# Altium PCB PCB ASCII (pokey v1.0-A01).PcbDoc (part 5 of 5)
Units mil, origin at the board's own origin, x right, y up, seen from the top; angles counter-clockwise.
Board outline 14208.66 x 3708.66 mil, 4 copper layers (Top Layer, Mid-Layer 1, Mid-Layer 2, Bottom Layer), stack 61.2 mil thick; 385 components, 209 nets, 1413 pads, 947 vias.
Unrouted connection lines stored in the file: 121.
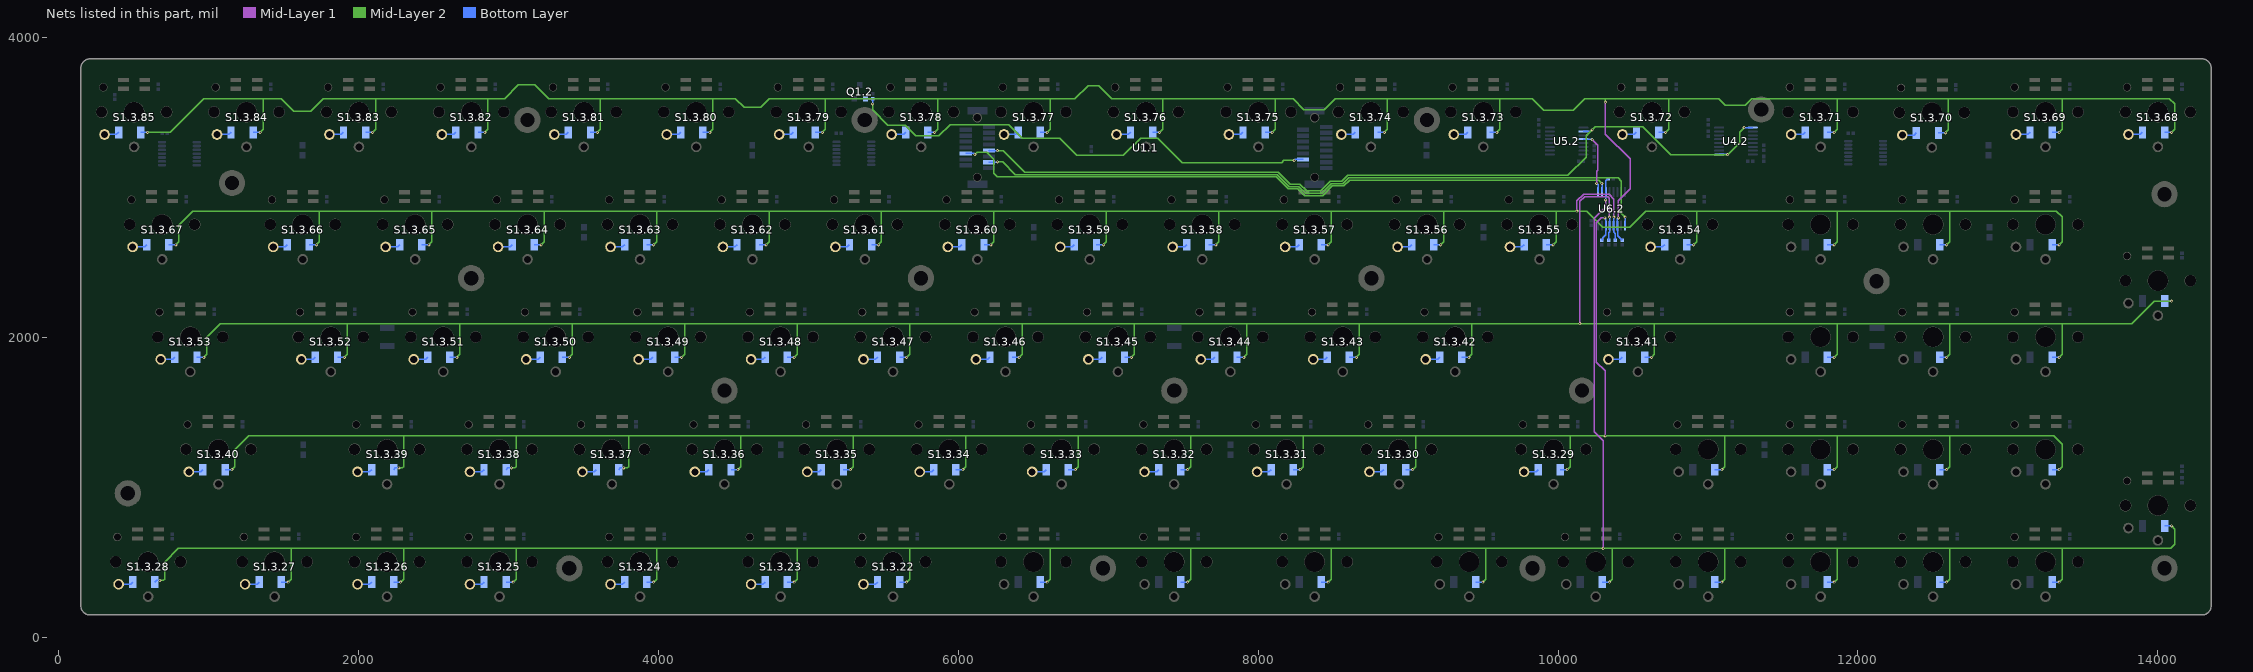
[diagram p7: the nets of this part, all layers, seen from the top]

## Via types
v1: diameter 20, hole 10, Top Layer to Bottom Layer, tented both sides, 946 vias
v2: diameter 20, hole 10, Top Layer to Bottom Layer, 1 vias

## Nets (pads, with @x,y where several pads share a name; then routed paths per layer and width w, separated by ;. In a path a pad name is that pad's centre, name@x,y a point inside that pad or via, vN(x,y) a via of type N, cw(c..) or ccw(c..) an arc to the next point about the centre after c; other vN are vias at no path point) (continued)
NetD2.3.22_A: D2.3.22.A S1.3.22.2 | length 99.5
  Bottom Layer w10: S1.3.22.2@5367.06,353.39 5446.63,353.39 D2.3.22.A@5460.75,367.5
NetD2.3.23_A: D2.3.23.A S1.3.23.2 | length 99.5
  Bottom Layer w10: S1.3.23.2@4617.06,353.39 4696.63,353.39 D2.3.23.A@4710.75,367.5
NetD2.3.24_A: D2.3.24.A S1.3.24.2 | length 99.5
  Bottom Layer w10: S1.3.24.2@3679.56,353.39 3759.13,353.39 D2.3.24.A@3773.25,367.5
NetD2.3.25_A: D2.3.25.A S1.3.25.2 | length 99.5
  Bottom Layer w10: S1.3.25.2@2742.06,353.39 2821.63,353.39 D2.3.25.A@2835.75,367.5
NetD2.3.26_A: D2.3.26.A S1.3.26.2 | length 99.5
  Bottom Layer w10: S1.3.26.2@1992.06,353.39 2071.63,353.39 D2.3.26.A@2085.75,367.5
NetD2.3.27_A: D2.3.27.A S1.3.27.2 | length 99.5
  Bottom Layer w10: S1.3.27.2@1242.06,353.39 1321.63,353.39 D2.3.27.A@1335.75,367.5
NetD2.3.28_A: D2.3.28.A S1.3.28.2 | length 99.5
  Bottom Layer w10: S1.3.28.2@398.31,353.39 477.88,353.39 D2.3.28.A@492,367.5
NetD2.3.29_A: D2.3.29.A S1.3.29.2 | length 99.5
  Bottom Layer w10: S1.3.29.2@9773.31,1103.39 9852.88,1103.39 D2.3.29.A@9867,1117.5
NetD2.3.30_A: D2.3.30.A S1.3.30.2 | length 99.5
  Bottom Layer w10: S1.3.30.2@8742.06,1103.39 8821.63,1103.39 D2.3.30.A@8835.75,1117.5
NetD2.3.31_A: D2.3.31.A S1.3.31.2 | length 99.5
  Bottom Layer w10: S1.3.31.2@7992.06,1103.39 8071.63,1103.39 D2.3.31.A@8085.75,1117.5
NetD2.3.32_A: D2.3.32.A S1.3.32.2 | length 99.5
  Bottom Layer w10: S1.3.32.2@7242.06,1103.39 7321.63,1103.39 D2.3.32.A@7335.75,1117.5
NetD2.3.33_A: D2.3.33.A S1.3.33.2 | length 99.5
  Bottom Layer w10: S1.3.33.2@6492.06,1103.39 6571.63,1103.39 D2.3.33.A@6585.75,1117.5
NetD2.3.34_A: D2.3.34.A S1.3.34.2 | length 99.5
  Bottom Layer w10: S1.3.34.2@5742.06,1103.39 5821.63,1103.39 D2.3.34.A@5835.75,1117.5
NetD2.3.35_A: D2.3.35.A S1.3.35.2 | length 99.5
  Bottom Layer w10: S1.3.35.2@4992.06,1103.39 5071.63,1103.39 D2.3.35.A@5085.75,1117.5
NetD2.3.36_A: D2.3.36.A S1.3.36.2 | length 99.5
  Bottom Layer w10: S1.3.36.2@4242.06,1103.39 4321.63,1103.39 D2.3.36.A@4335.75,1117.5
NetD2.3.37_A: D2.3.37.A S1.3.37.2 | length 99.5
  Bottom Layer w10: S1.3.37.2@3492.06,1103.39 3571.63,1103.39 D2.3.37.A@3585.75,1117.5
NetD2.3.38_A: D2.3.38.A S1.3.38.2 | length 99.5
  Bottom Layer w10: S1.3.38.2@2742.06,1103.39 2821.63,1103.39 D2.3.38.A@2835.75,1117.5
NetD2.3.39_A: D2.3.39.A S1.3.39.2 | length 99.5
  Bottom Layer w10: S1.3.39.2@1992.06,1103.39 2071.63,1103.39 D2.3.39.A@2085.75,1117.5
NetD2.3.40_A: D2.3.40.A S1.3.40.2 | length 99.5
  Bottom Layer w10: S1.3.40.2@867.06,1103.39 946.63,1103.39 D2.3.40.A@960.75,1117.5
NetD2.3.41_A: D2.3.41.A S1.3.41.2 | length 99.5
  Bottom Layer w10: S1.3.41.2@10335.81,1853.39 10415.38,1853.39 D2.3.41.A@10429.5,1867.5
NetD2.3.42_A: D2.3.42.A S1.3.42.2 | length 99.5
  Bottom Layer w10: S1.3.42.2@9117.06,1853.39 9196.63,1853.39 D2.3.42.A@9210.75,1867.5
NetD2.3.43_A: D2.3.43.A S1.3.43.2 | length 99.5
  Bottom Layer w10: S1.3.43.2@8367.06,1853.39 8446.63,1853.39 D2.3.43.A@8460.75,1867.5
NetD2.3.44_A: D2.3.44.A S1.3.44.2 | length 99.5
  Bottom Layer w10: S1.3.44.2@7617.06,1853.39 7696.63,1853.39 D2.3.44.A@7710.75,1867.5
NetD2.3.45_A: D2.3.45.A S1.3.45.2 | length 99.5
  Bottom Layer w10: S1.3.45.2@6867.06,1853.39 6946.63,1853.39 D2.3.45.A@6960.75,1867.5
NetD2.3.46_A: D2.3.46.A S1.3.46.2 | length 99.5
  Bottom Layer w10: S1.3.46.2@6117.06,1853.39 6196.63,1853.39 D2.3.46.A@6210.75,1867.5
NetD2.3.47_A: D2.3.47.A S1.3.47.2 | length 99.5
  Bottom Layer w10: S1.3.47.2@5367.06,1853.39 5446.63,1853.39 D2.3.47.A@5460.75,1867.5
NetD2.3.48_A: D2.3.48.A S1.3.48.2 | length 99.5
  Bottom Layer w10: S1.3.48.2@4617.06,1853.39 4696.63,1853.39 D2.3.48.A@4710.75,1867.5
NetD2.3.49_A: D2.3.49.A S1.3.49.2 | length 99.5
  Bottom Layer w10: S1.3.49.2@3867.06,1853.39 3946.63,1853.39 D2.3.49.A@3960.75,1867.5
NetD2.3.50_A: D2.3.50.A S1.3.50.2 | length 99.5
  Bottom Layer w10: S1.3.50.2@3117.06,1853.39 3196.63,1853.39 D2.3.50.A@3210.75,1867.5
NetD2.3.51_A: D2.3.51.A S1.3.51.2 | length 99.5
  Bottom Layer w10: S1.3.51.2@2367.06,1853.39 2446.63,1853.39 D2.3.51.A@2460.75,1867.5
NetD2.3.52_A: D2.3.52.A S1.3.52.2 | length 99.5
  Bottom Layer w10: S1.3.52.2@1617.06,1853.39 1696.63,1853.39 D2.3.52.A@1710.75,1867.5
NetD2.3.53_A: D2.3.53.A S1.3.53.2 | length 99.5
  Bottom Layer w10: S1.3.53.2@679.56,1853.39 759.13,1853.39 D2.3.53.A@773.25,1867.5
NetD2.3.54_A: D2.3.54.A S1.3.54.2 | length 99.5
  Bottom Layer w10: S1.3.54.2@10617.06,2603.39 10696.63,2603.39 D2.3.54.A@10710.75,2617.5
NetD2.3.55_A: D2.3.55.A S1.3.55.2 | length 99.5
  Bottom Layer w10: S1.3.55.2@9679.56,2603.39 9759.13,2603.39 D2.3.55.A@9773.25,2617.5
NetD2.3.56_A: D2.3.56.A S1.3.56.2 | length 99.5
  Bottom Layer w10: S1.3.56.2@8929.56,2603.39 9009.13,2603.39 D2.3.56.A@9023.25,2617.5
NetD2.3.57_A: D2.3.57.A S1.3.57.2 | length 99.5
  Bottom Layer w10: S1.3.57.2@8179.56,2603.39 8259.13,2603.39 D2.3.57.A@8273.25,2617.5
NetD2.3.58_A: D2.3.58.A S1.3.58.2 | length 99.5
  Bottom Layer w10: S1.3.58.2@7429.56,2603.39 7509.13,2603.39 D2.3.58.A@7523.25,2617.5
NetD2.3.59_A: D2.3.59.A S1.3.59.2 | length 99.5
  Bottom Layer w10: S1.3.59.2@6679.56,2603.39 6759.13,2603.39 D2.3.59.A@6773.25,2617.5
NetD2.3.60_A: D2.3.60.A S1.3.60.2 | length 99.5
  Bottom Layer w10: S1.3.60.2@5929.56,2603.39 6009.13,2603.39 D2.3.60.A@6023.25,2617.5
NetD2.3.61_A: D2.3.61.A S1.3.61.2 | length 99.5
  Bottom Layer w10: S1.3.61.2@5179.56,2603.39 5259.13,2603.39 D2.3.61.A@5273.25,2617.5
NetD2.3.62_A: D2.3.62.A S1.3.62.2 | length 99.5
  Bottom Layer w10: S1.3.62.2@4429.56,2603.39 4509.13,2603.39 D2.3.62.A@4523.25,2617.5
NetD2.3.63_A: D2.3.63.A S1.3.63.2 | length 99.5
  Bottom Layer w10: S1.3.63.2@3679.56,2603.39 3759.13,2603.39 D2.3.63.A@3773.25,2617.5
NetD2.3.64_A: D2.3.64.A S1.3.64.2 | length 99.5
  Bottom Layer w10: S1.3.64.2@2929.56,2603.39 3009.13,2603.39 D2.3.64.A@3023.25,2617.5
NetD2.3.65_A: D2.3.65.A S1.3.65.2 | length 99.5
  Bottom Layer w10: S1.3.65.2@2179.56,2603.39 2259.13,2603.39 D2.3.65.A@2273.25,2617.5
NetD2.3.66_A: D2.3.66.A S1.3.66.2 | length 99.5
  Bottom Layer w10: S1.3.66.2@1429.56,2603.39 1509.13,2603.39 D2.3.66.A@1523.25,2617.5
NetD2.3.67_A: D2.3.67.A S1.3.67.2 | length 99.5
  Bottom Layer w10: S1.3.67.2@492.06,2603.39 571.63,2603.39 D2.3.67.A@585.75,2617.5
NetD2.3.68_A: D2.3.68.A S1.3.68.2 | length 99.5
  Bottom Layer w10: S1.3.68.2@13804.56,3353.39 13884.13,3353.39 D2.3.68.A@13898.25,3367.5
NetD2.3.69_A: D2.3.69.A S1.3.69.2 | length 99.5
  Bottom Layer w10: S1.3.69.2@13054.56,3353.39 13134.13,3353.39 D2.3.69.A@13148.25,3367.5
NetD2.3.70_A: D2.3.70.A S1.3.70.2 | length 99.5
  Bottom Layer w10: S1.3.70.2@12296.35,3349.57 12375.92,3349.57 D2.3.70.A@12390.04,3363.68
NetD2.3.71_A: D2.3.71.A S1.3.71.2 | length 99.5
  Bottom Layer w10: S1.3.71.2@11554.56,3353.39 11634.13,3353.39 D2.3.71.A@11648.25,3367.5
NetD2.3.72_A: D2.3.72.A S1.3.72.2 | length 99.5
  Bottom Layer w10: S1.3.72.2@10429.56,3353.39 10509.13,3353.39 D2.3.72.A@10523.25,3367.5
NetD2.3.73_A: D2.3.73.A S1.3.73.2 | length 99.5
  Bottom Layer w10: S1.3.73.2@9304.56,3353.39 9384.13,3353.39 D2.3.73.A@9398.25,3367.5
NetD2.3.74_A: D2.3.74.A S1.3.74.2 | length 99.5
  Bottom Layer w10: S1.3.74.2@8554.56,3353.39 8634.13,3353.39 D2.3.74.A@8648.25,3367.5
NetD2.3.75_A: D2.3.75.A S1.3.75.2 | length 99.5
  Bottom Layer w10: S1.3.75.2@7804.56,3353.39 7884.13,3353.39 D2.3.75.A@7898.25,3367.5
NetD2.3.76_A: D2.3.76.A S1.3.76.2 | length 99.5
  Bottom Layer w10: S1.3.76.2@7054.56,3353.39 7134.13,3353.39 D2.3.76.A@7148.25,3367.5
NetD2.3.77_A: D2.3.77.A S1.3.77.2 | length 99.5
  Bottom Layer w10: S1.3.77.2@6304.56,3353.39 6384.13,3353.39 D2.3.77.A@6398.25,3367.5
NetD2.3.78_A: D2.3.78.A S1.3.78.2 | length 99.5
  Bottom Layer w10: S1.3.78.2@5554.56,3353.39 5634.13,3353.39 D2.3.78.A@5648.25,3367.5
NetD2.3.79_A: D2.3.79.A S1.3.79.2 | length 99.5
  Bottom Layer w10: S1.3.79.2@4804.56,3353.39 4884.13,3353.39 D2.3.79.A@4898.25,3367.5
NetD2.3.80_A: D2.3.80.A S1.3.80.2 | length 99.5
  Bottom Layer w10: S1.3.80.2@4054.56,3353.39 4134.13,3353.39 D2.3.80.A@4148.25,3367.5
NetD2.3.81_A: D2.3.81.A S1.3.81.2 | length 99.5
  Bottom Layer w10: S1.3.81.2@3304.56,3353.39 3384.13,3353.39 D2.3.81.A@3398.25,3367.5
NetD2.3.82_A: D2.3.82.A S1.3.82.2 | length 99.5
  Bottom Layer w10: S1.3.82.2@2554.56,3353.39 2634.13,3353.39 D2.3.82.A@2648.25,3367.5
NetD2.3.83_A: D2.3.83.A S1.3.83.2 | length 99.5
  Bottom Layer w10: S1.3.83.2@1804.56,3353.39 1884.13,3353.39 D2.3.83.A@1898.25,3367.5
NetD2.3.84_A: D2.3.84.A S1.3.84.2 | length 99.5
  Bottom Layer w10: S1.3.84.2@1054.56,3353.39 1134.13,3353.39 D2.3.84.A@1148.25,3367.5
NetD2.3.85_A: D2.3.85.A S1.3.85.2 | length 99.5
  Bottom Layer w10: S1.3.85.2@304.56,3353.39 384.13,3353.39 D2.3.85.A@398.25,3367.5
NetQ1.2_3: Q1.2.3 R4.2.1 U1.1.12 | length 3306.5
  Mid-Layer 2 w10: v1(5427.5,3557.5) 5427.5,3517.5 5530,3415 5645,3415 5715,3345 5870,3345 5945,3420 6335,3420 6425,3330 6675,3330 6790,3215 7100,3215 7215,3330 7330,3330 7493.5,3166.5 8156.5,3166.5 8170,3180 v1(8240,3180)
  Bottom Layer w10: Q1.2.3@5379.9,3591.24 5426.24,3591.24 R4.2.1@5427.5,3592.5 v1(5427.5,3557.5) ; v1(8240,3180) 8247.84,3187.84 U1.1.12@8299.25,3187.84
NetU1.1_24: U1.1.24 U4.2.1 U4.2.9 U5.2.10 | length 5780.5
  Mid-Layer 2 w10: v1(6260,3245) 6300,3245 6442.5,3102.5 8132.75,3102.5 8213.25,3022 8278.25,3022 8323.25,2977 8416.75,2977 8481.75,3042 8556.75,3042 8595.75,3081 10066,3081 10188.13,3203.13 10188.13,3345.79 v1(10227.13,3384.79) 10247.34,3405 10565,3405 10750.21,3219.79 v1(11131.7,3219.79) 11211.7,3299.79 11211.7,3369.79 v1(11241.7,3399.79)
  Bottom Layer w10: U1.1.24@6203.58,3246.89 6204.52,3245.95 6259.06,3245.95 v1(6260,3245) ; U5.2.10@10169.41,3373.54 10215.88,3373.54 v1(10227.13,3384.79) ; U4.2.1@11074.78,3219.79 U4.2.1@11074.57,3220 11131.49,3220 v1(11131.7,3219.79) ; v1(11241.7,3399.79) 11242.35,3399.13 U4.2.9@11298.98,3399.13
NetU1.1_25: U1.1.25 U6.2.2 | length 4537.8
  Mid-Layer 2 w10: v1(6110,3220) 6125,3235 6190,3235 6236,3189 6236,3095 6260.5,3070.5 8119.5,3070.5 8200,2990 8265,2990 8310,2945 8430,2945 8495,3010 8570,3010 8609,3049 10271,3049 v1(10292.5,3027.5)
  Bottom Layer w10: U1.1.25@6049.25,3227.2 6102.8,3227.2 v1(6110,3220) ; v1(10292.5,3027.5) 10293.3,3026.7 U6.2.2@10293.3,2969.63
NetU1.1_28: U1.1.28 U6.2.9 | length 4666.6
  Mid-Layer 2 w10: v1(6260,3170) 6295,3170 6378.5,3086.5 8126.13,3086.5 8206.63,3006 8271.63,3006 8316.63,2961 8423.37,2961 8488.37,3026 8563.37,3026 8602.37,3065 10400,3065 10422.5,3042.5 10422.5,2827.5 v1(10447.5,2802.5)
  Bottom Layer w10: U1.1.28@6203.58,3168.15 6258.15,3168.15 v1(6260,3170) ; U6.2.9@10446.85,2745.22 10447.5,2745.87 v1(10447.5,2802.5)
NetU5.2_12: U5.2.12 U6.2.1 | length 432.8
  Mid-Layer 1 w10: v1(10227.13,3319.79) 10265,3281.91 10265,3115 10257.5,3107.5 v1(10257.5,3027.5)
  Mid-Layer 2 w10: v1@10227.13,3318.93 v1(10227.13,3319.79)
  Bottom Layer w10: U5.2.12@10169.41,3322.36 10224.55,3322.36 v1(10227.13,3319.79) ; v1(10257.5,3027.5) 10267.71,3017.29 U6.2.1@10267.71,2969.63
ROW_0: D2.3.68.K D2.3.69.K D2.3.70.K D2.3.71.K D2.3.72.K D2.3.73.K D2.3.74.K D2.3.75.K D2.3.76.K D2.3.77.K D2.3.78.K D2.3.79.K D2.3.80.K D2.3.81.K D2.3.82.K D2.3.83.K D2.3.84.K D2.3.85.K R6.2.2 U6.2.11 | length 19887.3
  Mid-Layer 1 w10: v1(10315,3570) 10315,3355 10480,3190 10480,2990 10402.5,2912.5 v1(10402.5,2797.5)
  Mid-Layer 2 w10: v1(592.07,3367.5) 742.5,3367.5 967.5,3592.5 1362.07,3592.5 ; v1(1342.07,3367.5) 1362.07,3387.5 1362.07,3592.5 ; v1(2092.07,3367.5) 2112.07,3387.5 2112.07,3592.5 ; v1(2842.07,3367.5) 2862.07,3387.5 2862.07,3592.5 ; v1(3592.07,3367.5) 3612.07,3387.5 3612.07,3592.5 ; v1(4342.07,3367.5) 4362.07,3387.5 4362.07,3592.5 ; v1(5092.07,3367.5) 5112.07,3387.5 5112.07,3592.5 ; v1(5842.07,3367.5) 5862.07,3387.5 5862.07,3592.5 ; v1(6592.07,3367.5) 6612.07,3387.5 6612.07,3592.5 ; v1(7342.07,3367.5) 7362.07,3387.5 7362.07,3592.5 ; v1(8092.07,3367.5) 8112.07,3387.5 8112.07,3592.5 ; v1(8842.07,3367.5) 8862.07,3387.5 8862.07,3592.5 ; v1(9592.07,3367.5) 9612.07,3387.5 9612.07,3592.5 ; v1(10315,3570) 10314.37,3570.63 10314.37,3592.5 ; v1(10717.07,3367.5) 10737.07,3387.5 10737.07,3592.5 ; v1(11842.07,3367.5) 11862.07,3387.5 11862.07,3592.5 ; v1(12583.86,3363.68) 12603.86,3383.68 12603.86,3592.5 ; v1(13342.07,3367.5) 13362.07,3387.5 13362.07,3592.5 ; v1(14092.07,3367.5) 14112.07,3387.5 14112.07,3557.09 14076.66,3592.5 13362.07,3592.5 ; 1362.07,3592.5 1482.5,3592.5 1565,3510 1680,3510 1762.5,3592.5 2112.07,3592.5 ; 2112.07,3592.5 2862.07,3592.5 ; 2862.07,3592.5 2972.5,3592.5 3065,3685 3175,3685 3267.5,3592.5 3612.07,3592.5 ; 3612.07,3592.5 4362.07,3592.5 ; 4362.07,3592.5 4512.5,3592.5 4570,3535 4680,3535 4737.5,3592.5 5112.07,3592.5 ; 5112.07,3592.5 5862.07,3592.5 ; 5862.07,3592.5 6612.07,3592.5 ; 6612.07,3592.5 6777.5,3592.5 6865,3680 6935,3680 7022.5,3592.5 7362.07,3592.5 ; 7362.07,3592.5 8112.07,3592.5 ; 8112.07,3592.5 8232.5,3592.5 8305,3520 8440,3520 8512.5,3592.5 8862.07,3592.5 ; 8862.07,3592.5 9612.07,3592.5 ; 9612.07,3592.5 9827.5,3592.5 9905,3515 10100,3515 10177.5,3592.5 10314.37,3592.5 ; 10314.37,3592.5 10737.07,3592.5 ; 10737.07,3592.5 11072.5,3592.5 11115,3550 11250,3550 11292.5,3592.5 11862.07,3592.5 ; 11862.07,3592.5 12603.86,3592.5 ; 12603.86,3592.5 13362.07,3592.5
  Bottom Layer w10: D2.3.85.K@545.89,3367.5 v1(592.07,3367.5) ; D2.3.84.K@1295.89,3367.5 v1(1342.07,3367.5) ; D2.3.83.K@2045.89,3367.5 v1(2092.07,3367.5) ; D2.3.82.K@2795.89,3367.5 v1(2842.07,3367.5) ; D2.3.81.K@3545.89,3367.5 v1(3592.07,3367.5) ; D2.3.80.K@4295.89,3367.5 v1(4342.07,3367.5) ; D2.3.79.K@5045.89,3367.5 v1(5092.07,3367.5) ; D2.3.78.K@5795.89,3367.5 v1(5842.07,3367.5) ; D2.3.77.K@6545.89,3367.5 v1(6592.07,3367.5) ; D2.3.76.K@7295.89,3367.5 v1(7342.07,3367.5) ; D2.3.75.K@8045.89,3367.5 v1(8092.07,3367.5) ; D2.3.74.K@8795.89,3367.5 v1(8842.07,3367.5) ; D2.3.73.K@9545.89,3367.5 v1(9592.07,3367.5) ; v1@10395.67,2790.67 v1(10402.5,2797.5) 10402.5,2794.79 10395.67,2787.96 U6.2.11@10395.67,2745.22 10395.67,2717.62 10398.5,2714.78 10398.5,2678.47 R6.2.2@10427.5,2649.47 ; D2.3.72.K@10670.89,3367.5 v1(10717.07,3367.5) ; D2.3.71.K@11795.88,3367.5 v1(11842.07,3367.5) ; D2.3.70.K@12537.68,3363.68 v1(12583.86,3363.68) ; D2.3.69.K@13295.88,3367.5 v1(13342.07,3367.5) ; D2.3.68.K@14045.88,3367.5 v1(14092.07,3367.5)
ROW_1: D2.3.11.K D2.3.12.K D2.3.13.K D2.3.54.K D2.3.55.K D2.3.56.K D2.3.57.K D2.3.58.K D2.3.59.K D2.3.60.K D2.3.61.K D2.3.62.K D2.3.63.K D2.3.64.K D2.3.65.K D2.3.66.K D2.3.67.K R8.2.2 U6.2.12 | length 17952.1
  Mid-Layer 1 w10: v1(10124.94,2842.5) 10125,2842.56 10125,2910 10170,2955 10340,2955 10372.5,2922.5 v1(10372.5,2802.5)
  Mid-Layer 2 w10: v1(779.57,2617.5) 799.57,2637.5 799.57,2749.57 892.5,2842.5 1737.07,2842.5 ; v1(1717.07,2617.5) 1737.07,2637.5 1737.07,2842.5 ; v1(2467.07,2617.5) 2487.07,2637.5 2487.07,2842.5 ; v1(3217.07,2617.5) 3237.07,2637.5 3237.07,2842.5 ; v1(3967.07,2617.5) 3987.07,2637.5 3987.07,2842.5 ; v1(4717.07,2617.5) 4737.07,2637.5 4737.07,2842.5 ; v1(5467.07,2617.5) 5487.07,2637.5 5487.07,2842.5 ; v1(6217.07,2617.5) 6237.07,2637.5 6237.07,2842.5 ; v1(6967.07,2617.5) 6987.07,2637.5 6987.07,2842.5 ; v1(7717.07,2617.5) 7737.07,2637.5 7737.07,2842.5 ; v1(8467.07,2617.5) 8487.07,2637.5 8487.07,2842.5 ; v1(9217.07,2617.5) 9237.07,2637.5 9237.07,2842.5 ; v1(9967.07,2617.5) 9987.07,2637.5 9987.07,2842.5 ; v1(10904.57,2617.5) 10924.57,2637.5 10924.57,2842.5 ; v1(11842.07,2617.5) 11862.07,2637.5 11862.07,2842.5 ; v1(12592.07,2617.5) 12612.07,2637.5 12612.07,2842.5 ; v1(13342.07,2617.5) 13362.07,2637.5 13362.07,2803.2 13322.76,2842.5 12612.07,2842.5 ; 1737.07,2842.5 2487.07,2842.5 ; 2487.07,2842.5 3237.07,2842.5 ; 3237.07,2842.5 3987.07,2842.5 ; 3987.07,2842.5 4737.07,2842.5 ; 4737.07,2842.5 5487.07,2842.5 ; 5487.07,2842.5 6237.07,2842.5 ; 6237.07,2842.5 6987.07,2842.5 ; 6987.07,2842.5 7737.07,2842.5 ; 7737.07,2842.5 8487.07,2842.5 ; 8487.07,2842.5 9237.07,2842.5 ; 9237.07,2842.5 9987.07,2842.5 ; 9987.07,2842.5 v1(10124.94,2842.5) 10189.87,2842.5 10298.37,2734 10476.63,2734 10585.13,2842.5 10924.57,2842.5 ; 10924.57,2842.5 11862.07,2842.5 ; 11862.07,2842.5 12612.07,2842.5
  Bottom Layer w10: D2.3.67.K@733.39,2617.5 v1(779.57,2617.5) ; D2.3.66.K@1670.89,2617.5 v1(1717.07,2617.5) ; D2.3.65.K@2420.89,2617.5 v1(2467.07,2617.5) ; D2.3.64.K@3170.89,2617.5 v1(3217.07,2617.5) ; D2.3.63.K@3920.89,2617.5 v1(3967.07,2617.5) ; D2.3.62.K@4670.89,2617.5 v1(4717.07,2617.5) ; D2.3.61.K@5420.89,2617.5 v1(5467.07,2617.5) ; D2.3.60.K@6170.89,2617.5 v1(6217.07,2617.5) ; D2.3.59.K@6920.89,2617.5 v1(6967.07,2617.5) ; D2.3.58.K@7670.89,2617.5 v1(7717.07,2617.5) ; D2.3.57.K@8420.89,2617.5 v1(8467.07,2617.5) ; D2.3.56.K@9170.89,2617.5 v1(9217.07,2617.5) ; D2.3.55.K@9920.89,2617.5 v1(9967.07,2617.5) ; v1(10372.5,2802.5) 10372.5,2799.79 10370.07,2797.37 U6.2.12@10370.07,2745.22 10370.07,2704.93 10382.5,2692.5 R8.2.2@10382.5,2649.47 ; D2.3.54.K@10858.39,2617.5 v1(10904.57,2617.5) ; D2.3.13.K@11795.88,2617.5 v1(11842.07,2617.5) ; D2.3.12.K@12545.88,2617.5 v1(12592.07,2617.5) ; D2.3.11.K@13295.88,2617.5 v1(13342.07,2617.5)
ROW_2: D2.3.7.K D2.3.8.K D2.3.9.K D2.3.10.K D2.3.41.K D2.3.42.K D2.3.43.K D2.3.44.K D2.3.45.K D2.3.46.K D2.3.47.K D2.3.48.K D2.3.49.K D2.3.50.K D2.3.51.K D2.3.52.K D2.3.53.K R9.2.2 U6.2.13 | length 18942.8
  Mid-Layer 1 w10: v1(10145.89,2092.5) 10145.94,2092.56 10145.94,2908.32 10176.63,2939 10330,2939 10342.5,2926.5 v1(10342.5,2802.5)
  Mid-Layer 2 w10: v1(967.07,1867.5) 987.07,1887.5 987.07,2002.07 1077.5,2092.5 1924.57,2092.5 ; v1(1904.57,1867.5) 1924.57,1887.5 1924.57,2092.5 ; v1(2654.57,1867.5) 2674.57,1887.5 2674.57,2092.5 ; v1(3404.57,1867.5) 3424.57,1887.5 3424.57,2092.5 ; v1(4154.57,1867.5) 4174.57,1887.5 4174.57,2092.5 ; v1(4904.57,1867.5) 4924.57,1887.5 4924.57,2092.5 ; v1(5654.57,1867.5) 5674.57,1887.5 5674.57,2092.5 ; v1(6404.57,1867.5) 6424.57,1887.5 6424.57,2092.5 ; v1(7154.57,1867.5) 7174.57,1887.5 7174.57,2092.5 ; v1(7904.57,1867.5) 7924.57,1887.5 7924.57,2092.5 ; v1(8654.57,1867.5) 8674.57,1887.5 8674.57,2092.5 ; v1(9404.57,1867.5) 9424.57,1887.5 9424.57,2092.5 ; v1(10623.32,1867.5) 10643.32,1887.5 10643.32,2092.5 ; v1(11842.07,1867.5) 11862.07,1887.5 11862.07,2092.5 ; v1(12592.07,1867.5) 12612.07,1887.5 12612.07,2092.5 ; v1(13342.07,1867.5) 13362.07,1887.5 13362.07,2092.5 ; v1(14092.07,2242.5) 13977.5,2242.5 13827.5,2092.5 13362.07,2092.5 ; 1924.57,2092.5 2674.57,2092.5 ; 2674.57,2092.5 3424.57,2092.5 ; 3424.57,2092.5 4174.57,2092.5 ; 4174.57,2092.5 4924.57,2092.5 ; 4924.57,2092.5 5674.57,2092.5 ; 5674.57,2092.5 6424.57,2092.5 ; 6424.57,2092.5 7174.57,2092.5 ; 7174.57,2092.5 7924.57,2092.5 ; 7924.57,2092.5 8674.57,2092.5 ; 8674.57,2092.5 9424.57,2092.5 ; 9424.57,2092.5 v1(10145.89,2092.5) 10643.32,2092.5 ; 10643.32,2092.5 11862.07,2092.5 ; 11862.07,2092.5 12612.07,2092.5 ; 12612.07,2092.5 13362.07,2092.5
  Bottom Layer w10: D2.3.53.K@920.89,1867.5 v1(967.07,1867.5) ; D2.3.52.K@1858.39,1867.5 v1(1904.57,1867.5) ; D2.3.51.K@2608.39,1867.5 v1(2654.57,1867.5) ; D2.3.50.K@3358.39,1867.5 v1(3404.57,1867.5) ; D2.3.49.K@4108.39,1867.5 v1(4154.57,1867.5) ; D2.3.48.K@4858.39,1867.5 v1(4904.57,1867.5) ; D2.3.47.K@5608.39,1867.5 v1(5654.57,1867.5) ; D2.3.46.K@6358.39,1867.5 v1(6404.57,1867.5) ; D2.3.45.K@7108.39,1867.5 v1(7154.57,1867.5) ; D2.3.44.K@7858.39,1867.5 v1(7904.57,1867.5) ; D2.3.43.K@8608.39,1867.5 v1(8654.57,1867.5) ; D2.3.42.K@9358.39,1867.5 v1(9404.57,1867.5) ; R9.2.2@10337.5,2649.47 10337.5,2697.5 10344.48,2704.48 U6.2.13@10344.48,2745.22 10344.48,2797.81 10342.5,2799.79 v1(10342.5,2802.5) ; D2.3.41.K@10577.14,1867.5 v1(10623.32,1867.5) ; D2.3.10.K@11795.88,1867.5 v1(11842.07,1867.5) ; D2.3.9.K@12545.88,1867.5 v1(12592.07,1867.5) ; D2.3.8.K@13295.88,1867.5 v1(13342.07,1867.5) ; D2.3.7.K@14045.88,2242.5 v1(14092.07,2242.5)
ROW_3: D2.3.4.K D2.3.5.K D2.3.6.K D2.3.14.K D2.3.29.K D2.3.30.K D2.3.31.K D2.3.32.K D2.3.33.K D2.3.34.K D2.3.35.K D2.3.36.K D2.3.37.K D2.3.38.K D2.3.39.K D2.3.40.K R10.2.2 U6.2.14 | length 18247.7
  Mid-Layer 1 w10: v1(10312.5,2797.5) 10287.5,2797.5 10256,2766 10256,1834 10313.31,1776.69 v1(10313.31,1342.5)
  Mid-Layer 2 w10: v1(1154.57,1117.5) 1174.57,1137.5 1174.57,1249.57 1267.5,1342.5 2299.57,1342.5 ; v1(2267.79,1129.28) 2291.34,1129.28 2299.57,1137.5 2299.57,1342.5 ; v1(3017.79,1129.28) 3041.34,1129.28 3049.57,1137.5 3049.57,1342.5 ; v1(3767.79,1129.28) 3791.34,1129.28 3799.57,1137.5 3799.57,1342.5 ; v1(4529.57,1117.5) 4549.57,1137.5 4549.57,1342.5 ; v1(5279.57,1117.5) 5299.57,1137.5 5299.57,1342.5 ; v1(6029.57,1117.5) 6049.57,1137.5 6049.57,1342.5 ; v1(6779.57,1117.5) 6799.57,1137.5 6799.57,1342.5 ; v1(7529.57,1117.5) 7549.57,1137.5 7549.57,1342.5 ; v1(8279.57,1117.5) 8299.57,1137.5 8299.57,1342.5 ; v1(9029.57,1117.5) 9049.57,1137.5 9049.57,1342.5 ; 10046.25,1342.5 9049.57,1342.5 ; 10049.5,1342.5 10080.82,1342.5 ; v1(10060.82,1117.5) 10080.82,1137.5 10080.82,1342.5 ; v1(11092.07,1117.5) 11112.07,1137.5 11112.07,1342.5 ; v1(11842.07,1117.5) 11862.07,1137.5 11862.07,1342.5 ; v1(12592.07,1117.5) 12612.07,1137.5 12612.07,1342.5 ; v1(13342.07,1117.5) 13362.07,1137.5 13362.07,1287.93 13307.5,1342.5 12612.07,1342.5 ; 2299.57,1342.5 3049.57,1342.5 ; 3049.57,1342.5 3799.57,1342.5 ; 3799.57,1342.5 4549.57,1342.5 ; 4549.57,1342.5 5299.57,1342.5 ; 5299.57,1342.5 6049.57,1342.5 ; 6049.57,1342.5 6799.57,1342.5 ; 6799.57,1342.5 7549.57,1342.5 ; 7549.57,1342.5 8299.57,1342.5 ; 8299.57,1342.5 9049.57,1342.5 ; 10080.82,1342.5 v1(10313.31,1342.5) 11112.07,1342.5 ; 11112.07,1342.5 11862.07,1342.5 ; 11862.07,1342.5 12612.07,1342.5
  Bottom Layer w10: D2.3.40.K@1108.39,1117.5 v1(1154.57,1117.5) ; D2.3.39.K@2233.39,1117.5 2245.16,1129.28 v1(2267.79,1129.28) ; D2.3.38.K@2983.39,1117.5 2995.16,1129.28 v1(3017.79,1129.28) ; D2.3.37.K@3733.39,1117.5 3745.16,1129.28 v1(3767.79,1129.28) ; D2.3.36.K@4483.39,1117.5 v1(4529.57,1117.5) ; D2.3.35.K@5233.39,1117.5 v1(5279.57,1117.5) ; D2.3.34.K@5983.39,1117.5 v1(6029.57,1117.5) ; D2.3.33.K@6733.39,1117.5 v1(6779.57,1117.5) ; D2.3.32.K@7483.39,1117.5 v1(7529.57,1117.5) ; D2.3.31.K@8233.39,1117.5 v1(8279.57,1117.5) ; D2.3.30.K@8983.39,1117.5 v1(9029.57,1117.5) ; D2.3.29.K@10014.64,1117.5 v1(10060.82,1117.5) ; R10.2.2@10292.5,2649.47 10299.31,2656.28 10299.31,2664.31 10318.89,2683.89 U6.2.14@10318.89,2745.22 10318.89,2788.4 10312.5,2794.79 v1(10312.5,2797.5) ; D2.3.14.K@11045.89,1117.5 v1(11092.07,1117.5) ; D2.3.6.K@11795.88,1117.5 v1(11842.07,1117.5) ; D2.3.5.K@12545.88,1117.5 v1(12592.07,1117.5) ; D2.3.4.K@13295.88,1117.5 v1(13342.07,1117.5)
ROW_4: D2.3.1.K D2.3.2.K D2.3.3.K D2.3.15.K D2.3.16.K D2.3.17.K D2.3.18.K D2.3.19.K D2.3.20.K D2.3.21.K D2.3.22.K D2.3.23.K D2.3.24.K D2.3.25.K D2.3.26.K D2.3.27.K D2.3.28.K R12.2.2 U6.2.3 | length 20542
  Mid-Layer 1 w10: v1(10300.23,592.5) 10300.23,1309.77 10240,1370 10240,2795 10317.5,2872.5 v1(10317.5,2917.5)
  Mid-Layer 2 w10: v1(674.04,379.28) 697.59,379.28 705.82,387.5 705.82,500.82 797.5,592.5 1549.57,592.5 ; v1(1529.57,367.5) 1549.57,387.5 1549.57,592.5 ; v1(2279.57,367.5) 2299.57,387.5 2299.57,592.5 ; v1(3029.57,367.5) 3049.57,387.5 3049.57,592.5 ; v1(3967.07,367.5) 3987.07,387.5 3987.07,592.5 ; v1(4904.57,367.5) 4924.57,387.5 4924.57,592.5 ; v1(5654.57,367.5) 5674.57,387.5 5674.57,592.5 ; v1(6592.07,367.5) 6612.07,387.5 6612.07,592.5 ; v1(7529.57,367.5) 7549.57,387.5 7549.57,592.5 ; v1(8467.07,367.5) 8487.07,387.5 8487.07,592.5 ; v1(9498.32,367.5) 9518.32,387.5 9518.32,592.5 ; v1(10342.07,367.5) 10362.07,387.5 10362.07,592.5 ; v1(11092.07,367.5) 11112.07,387.5 11112.07,592.5 ; v1(11842.07,367.5) 11862.07,387.5 11862.07,592.5 ; v1(12592.07,367.5) 12612.07,387.5 12612.07,592.5 ; v1(13342.07,367.5) 13362.07,387.5 13362.07,592.5 ; v1(14092.07,742.5) 14115,719.57 14115,620 14087.5,592.5 13362.07,592.5 ; 1549.57,592.5 2299.57,592.5 ; 2299.57,592.5 3049.57,592.5 ; 3049.57,592.5 3987.07,592.5 ; 3987.07,592.5 4924.57,592.5 ; 4924.57,592.5 5674.57,592.5 ; 5674.57,592.5 6612.07,592.5 ; 6612.07,592.5 7549.57,592.5 ; 7549.57,592.5 8487.07,592.5 ; 8487.07,592.5 9518.32,592.5 ; 9518.32,592.5 v1(10300.23,592.5) 10362.07,592.5 ; 10362.07,592.5 11112.07,592.5 ; 11112.07,592.5 11862.07,592.5 ; 11862.07,592.5 12612.07,592.5 ; 12612.07,592.5 13362.07,592.5
  Bottom Layer w10: D2.3.28.K@639.64,367.5 651.41,379.28 v1(674.04,379.28) ; D2.3.27.K@1483.39,367.5 v1(1529.57,367.5) ; D2.3.26.K@2233.39,367.5 v1(2279.57,367.5) ; D2.3.25.K@2983.39,367.5 v1(3029.57,367.5) ; D2.3.24.K@3920.89,367.5 v1(3967.07,367.5) ; D2.3.23.K@4858.39,367.5 v1(4904.57,367.5) ; D2.3.22.K@5608.39,367.5 v1(5654.57,367.5) ; D2.3.21.K@6545.89,367.5 v1(6592.07,367.5) ; D2.3.20.K@7483.39,367.5 v1(7529.57,367.5) ; D2.3.19.K@8420.88,367.5 v1(8467.07,367.5) ; D2.3.18.K@9452.14,367.5 v1(9498.32,367.5) ; D2.3.17.K@10295.89,367.5 v1(10342.07,367.5) ; v1(10317.5,2917.5) 10318.89,2918.89 U6.2.3@10318.89,2969.63 10318.89,3043.89 10329.02,3054.02 R12.2.2@10330.53,3052.5 ; D2.3.16.K@11045.89,367.5 v1(11092.07,367.5) ; D2.3.15.K@11795.89,367.5 v1(11842.07,367.5) ; D2.3.3.K@12545.89,367.5 v1(12592.07,367.5) ; D2.3.2.K@13295.88,367.5 v1(13342.07,367.5) ; D2.3.1.K@14045.88,742.5 v1(14092.07,742.5)
pads on no net: S1.3.1.3 S1.3.1.4 S1.3.1.4_1 S1.3.1.4_2 S1.3.2.3 S1.3.2.4 S1.3.2.4_1 S1.3.2.4_2 S1.3.3.3 S1.3.3.4 S1.3.3.4_1 S1.3.3.4_2 S1.3.4.3 S1.3.4.4 S1.3.4.4_1 S1.3.4.4_2 S1.3.5.3 S1.3.5.4 S1.3.5.4_1 S1.3.5.4_2 S1.3.6.3 S1.3.6.4 S1.3.6.4_1 S1.3.6.4_2 S1.3.7.3 S1.3.7.4 S1.3.7.4_1 S1.3.7.4_2 S1.3.8.3 S1.3.8.4 S1.3.8.4_1 S1.3.8.4_2 S1.3.9.3 S1.3.9.4 S1.3.9.4_1 S1.3.9.4_2 S1.3.10.3 S1.3.10.4 S1.3.10.4_1 S1.3.10.4_2 S1.3.11.3 S1.3.11.4 S1.3.11.4_1 S1.3.11.4_2 S1.3.12.3 S1.3.12.4 S1.3.12.4_1 S1.3.12.4_2 S1.3.13.3 S1.3.13.4 S1.3.13.4_1 S1.3.13.4_2 S1.3.14.3 S1.3.14.4 S1.3.14.4_1 S1.3.14.4_2 S1.3.15.3 S1.3.15.4 S1.3.15.4_1 S1.3.15.4_2 S1.3.16.3 S1.3.16.4 S1.3.16.4_1 S1.3.16.4_2 S1.3.17.3 S1.3.17.4 S1.3.17.4_1 S1.3.17.4_2 S1.3.18.3 S1.3.18.4 S1.3.18.4_1 S1.3.18.4_2 S1.3.19.3 S1.3.19.4 S1.3.19.4_1 S1.3.19.4_2 S1.3.20.3 S1.3.20.4 S1.3.20.4_1 S1.3.20.4_2 S1.3.21.3 S1.3.21.4 S1.3.21.4_1 S1.3.21.4_2 S1.3.22.3 S1.3.22.4 S1.3.22.4_1 S1.3.22.4_2 S1.3.23.3 S1.3.23.4 S1.3.23.4_1 S1.3.23.4_2 S1.3.24.3 S1.3.24.4 S1.3.24.4_1 S1.3.24.4_2 S1.3.25.3 S1.3.25.4 S1.3.25.4_1 S1.3.25.4_2 S1.3.26.3 S1.3.26.4 S1.3.26.4_1 S1.3.26.4_2 S1.3.27.3 S1.3.27.4 S1.3.27.4_1 S1.3.27.4_2 S1.3.28.3 S1.3.28.4 S1.3.28.4_1 S1.3.28.4_2 S1.3.29.3 S1.3.29.4 S1.3.29.4_1 S1.3.29.4_2 S1.3.30.3 S1.3.30.4 S1.3.30.4_1 S1.3.30.4_2 S1.3.31.3 S1.3.31.4 S1.3.31.4_1 S1.3.31.4_2 S1.3.32.3 S1.3.32.4 S1.3.32.4_1 S1.3.32.4_2 S1.3.33.3 S1.3.33.4 S1.3.33.4_1 S1.3.33.4_2 S1.3.34.3 S1.3.34.4 S1.3.34.4_1 S1.3.34.4_2 S1.3.35.3 S1.3.35.4 S1.3.35.4_1 S1.3.35.4_2 S1.3.36.3 S1.3.36.4 S1.3.36.4_1 S1.3.36.4_2 S1.3.37.3 S1.3.37.4 S1.3.37.4_1 S1.3.37.4_2 S1.3.38.3 S1.3.38.4 S1.3.38.4_1 S1.3.38.4_2 S1.3.39.3 S1.3.39.4 S1.3.39.4_1 S1.3.39.4_2 S1.3.40.3 S1.3.40.4 S1.3.40.4_1 S1.3.40.4_2 S1.3.41.3 S1.3.41.4 S1.3.41.4_1 S1.3.41.4_2 S1.3.42.3 S1.3.42.4 S1.3.42.4_1 S1.3.42.4_2 S1.3.43.3 S1.3.43.4 S1.3.43.4_1 S1.3.43.4_2 S1.3.44.3 S1.3.44.4 S1.3.44.4_1 S1.3.44.4_2 S1.3.45.3 S1.3.45.4 S1.3.45.4_1 S1.3.45.4_2 S1.3.46.3 S1.3.46.4 S1.3.46.4_1 S1.3.46.4_2 S1.3.47.3 S1.3.47.4 S1.3.47.4_1 S1.3.47.4_2 S1.3.48.3 S1.3.48.4 S1.3.48.4_1 S1.3.48.4_2 S1.3.49.3 S1.3.49.4 S1.3.49.4_1 S1.3.49.4_2 S1.3.50.3 S1.3.50.4 S1.3.50.4_1 S1.3.50.4_2 S1.3.51.3 S1.3.51.4 S1.3.51.4_1 S1.3.51.4_2 S1.3.52.3 S1.3.52.4 S1.3.52.4_1 S1.3.52.4_2 S1.3.53.3 S1.3.53.4 S1.3.53.4_1 S1.3.53.4_2 S1.3.54.3 S1.3.54.4 S1.3.54.4_1 S1.3.54.4_2 S1.3.55.3 S1.3.55.4 S1.3.55.4_1 S1.3.55.4_2 S1.3.56.3 S1.3.56.4 S1.3.56.4_1 S1.3.56.4_2 S1.3.57.3 S1.3.57.4 S1.3.57.4_1 S1.3.57.4_2 S1.3.58.3 S1.3.58.4 S1.3.58.4_1 S1.3.58.4_2 S1.3.59.3 S1.3.59.4 S1.3.59.4_1 S1.3.59.4_2 S1.3.60.3 S1.3.60.4 S1.3.60.4_1 S1.3.60.4_2 S1.3.61.3 S1.3.61.4 S1.3.61.4_1 S1.3.61.4_2 S1.3.62.3 S1.3.62.4 S1.3.62.4_1 S1.3.62.4_2 S1.3.63.3 S1.3.63.4 S1.3.63.4_1 S1.3.63.4_2 S1.3.64.3 S1.3.64.4 S1.3.64.4_1 S1.3.64.4_2 S1.3.65.3 S1.3.65.4 S1.3.65.4_1 S1.3.65.4_2 S1.3.66.3 S1.3.66.4 S1.3.66.4_1 S1.3.66.4_2 S1.3.67.3 S1.3.67.4 S1.3.67.4_1 S1.3.67.4_2 S1.3.68.3 S1.3.68.4 S1.3.68.4_1 S1.3.68.4_2 S1.3.69.3 S1.3.69.4 S1.3.69.4_1 S1.3.69.4_2 S1.3.70.3 S1.3.70.4 S1.3.70.4_1 S1.3.70.4_2 S1.3.71.3 S1.3.71.4 S1.3.71.4_1 S1.3.71.4_2 S1.3.72.3 S1.3.72.4 S1.3.72.4_1 S1.3.72.4_2 S1.3.73.3 S1.3.73.4 S1.3.73.4_1 S1.3.73.4_2 S1.3.74.3 S1.3.74.4 S1.3.74.4_1 S1.3.74.4_2 S1.3.75.3 S1.3.75.4 S1.3.75.4_1 S1.3.75.4_2 S1.3.76.3 S1.3.76.4 S1.3.76.4_1 S1.3.76.4_2 S1.3.77.3 S1.3.77.4 S1.3.77.4_1 S1.3.77.4_2 S1.3.78.3 S1.3.78.4 S1.3.78.4_1 S1.3.78.4_2 S1.3.79.3 S1.3.79.4 S1.3.79.4_1 S1.3.79.4_2 S1.3.80.3 S1.3.80.4 S1.3.80.4_1 S1.3.80.4_2 S1.3.81.3 S1.3.81.4 S1.3.81.4_1 S1.3.81.4_2 S1.3.82.3 S1.3.82.4 S1.3.82.4_1 S1.3.82.4_2 S1.3.83.3 S1.3.83.4 S1.3.83.4_1 S1.3.83.4_2 S1.3.84.3 S1.3.84.4 S1.3.84.4_1 S1.3.84.4_2 S1.3.85.3 S1.3.85.4 S1.3.85.4_1 S1.3.85.4_2 U1.1.0 U1.1.0_1 U1.1.0_2 U1.1.0_3 U1.1.0_4 U1.1.0_5 U1.1.0_6 U1.1.0_7 U1.1.3 U1.1.4 U1.1.8 U1.1.13 U1.1.17 U1.1.18 U1.1.21 U1.1.22 U1.1.29 U3.2.5 U3.2.6 U3.2.10 U3.2.11 U3.2.12 U3.2.13 U4.2.12 U4.2.13 U5.2.4 U5.2.5 U6.2.7

## Polygon pours and split planes (outlines as drawn)
3V3 on Mid-Layer 2 "Mid 2 3V3" (solid, remove dead copper, pour order 10): 145,2460 145,3860 14355.69,3860 14355.69,2460
5V on Mid-Layer 2 "Mid 2 5V" (solid, remove dead copper, pour order 12): 145,148.66 145,2461.97 14355.69,2461.97 14355.69,148.66
5V on Mid-Layer 1 "Mid 1 5V" (solid, remove dead copper, pour order 9): 145,148.66 145,3860 14355.69,3860 14355.69,148.66
GND on Top Layer "Top GND" (solid, pour order 7): 145,148.66 145,3860 14355.69,3860 14355.69,148.66
GND on Bottom Layer "Bottom GND" (solid, pour order 8): 145,148.66 145,3860 14355.69,3860 14355.69,148.66

## Silkscreen, mask and mechanical layers (free items; w line width, h text height)
Bottom Overlay:
  text "Pokey v.PCB_Version-A.Assembly_Version" at 355,1335 h60 r270
Mechanical 2:
  lines w8: 147.08,207.72 ccw(c206.14,207.72) 206.14,148.66 14296.64,148.66 ccw(c14296.64,207.72) 14355.69,207.72 14355.69,225.06 14355.74,225.11 14355.74,3798.27 ccw(c14296.69,3798.27) 14296.69,3857.32 206.14,3857.32 ccw(c206.14,3798.27) 147.08,3798.27 147.08,207.72

## Text inside footprints (layer, text, board x,y; h text height)
D2.3.1: Bottom Overlay "K" at 14037.07,787.5 h15 r270
D2.3.2: Bottom Overlay "K" at 13287.07,412.5 h15 r270
D2.3.3: Bottom Overlay "K" at 12537.07,412.5 h15 r270
D2.3.4: Bottom Overlay "K" at 13287.07,1162.5 h15 r270
D2.3.5: Bottom Overlay "K" at 12537.07,1162.5 h15 r270
D2.3.6: Bottom Overlay "K" at 11787.07,1162.5 h15 r270
D2.3.7: Bottom Overlay "K" at 14037.07,2287.5 h15 r270
D2.3.8: Bottom Overlay "K" at 13287.07,1912.5 h15 r270
D2.3.9: Bottom Overlay "K" at 12537.07,1912.5 h15 r270
D2.3.10: Bottom Overlay "K" at 11787.07,1912.5 h15 r270
D2.3.11: Bottom Overlay "K" at 13287.07,2662.5 h15 r270
D2.3.12: Bottom Overlay "K" at 12537.07,2662.5 h15 r270
D2.3.13: Bottom Overlay "K" at 11787.07,2662.5 h15 r270
D2.3.14: Bottom Overlay "K" at 11037.07,1162.5 h15 r270
D2.3.15: Bottom Overlay "K" at 11787.07,412.5 h15 r270
D2.3.16: Bottom Overlay "K" at 11037.07,412.5 h15 r270
D2.3.17: Bottom Overlay "K" at 10287.07,412.5 h15 r270
D2.3.18: Bottom Overlay "K" at 9443.32,412.5 h15 r270
D2.3.19: Bottom Overlay "K" at 8412.07,412.5 h15 r270
D2.3.20: Bottom Overlay "K" at 7474.57,412.5 h15 r270
D2.3.21: Bottom Overlay "K" at 6537.07,412.5 h15 r270
D2.3.22: Bottom Overlay "K" at 5599.57,412.5 h15 r270
D2.3.23: Bottom Overlay "K" at 4849.57,412.5 h15 r270
D2.3.24: Bottom Overlay "K" at 3912.07,412.5 h15 r270
D2.3.25: Bottom Overlay "K" at 2974.57,412.5 h15 r270
D2.3.26: Bottom Overlay "K" at 2224.57,412.5 h15 r270
D2.3.27: Bottom Overlay "K" at 1474.57,412.5 h15 r270
D2.3.28: Bottom Overlay "K" at 630.82,412.5 h15 r270
D2.3.29: Bottom Overlay "K" at 10005.82,1162.5 h15 r270
D2.3.30: Bottom Overlay "K" at 8974.57,1162.5 h15 r270
D2.3.31: Bottom Overlay "K" at 8224.57,1162.5 h15 r270
D2.3.32: Bottom Overlay "K" at 7474.57,1162.5 h15 r270
D2.3.33: Bottom Overlay "K" at 6724.57,1162.5 h15 r270
D2.3.34: Bottom Overlay "K" at 5974.57,1162.5 h15 r270
D2.3.35: Bottom Overlay "K" at 5224.57,1162.5 h15 r270
D2.3.36: Bottom Overlay "K" at 4474.57,1162.5 h15 r270
D2.3.37: Bottom Overlay "K" at 3724.57,1162.5 h15 r270
D2.3.38: Bottom Overlay "K" at 2974.57,1162.5 h15 r270
D2.3.39: Bottom Overlay "K" at 2224.57,1162.5 h15 r270
D2.3.40: Bottom Overlay "K" at 1099.57,1162.5 h15 r270
D2.3.41: Bottom Overlay "K" at 10568.32,1912.5 h15 r270
D2.3.42: Bottom Overlay "K" at 9349.57,1912.5 h15 r270
D2.3.43: Bottom Overlay "K" at 8599.57,1912.5 h15 r270
D2.3.44: Bottom Overlay "K" at 7849.57,1912.5 h15 r270
D2.3.45: Bottom Overlay "K" at 7099.57,1912.5 h15 r270
D2.3.46: Bottom Overlay "K" at 6349.57,1912.5 h15 r270
D2.3.47: Bottom Overlay "K" at 5599.57,1912.5 h15 r270
D2.3.48: Bottom Overlay "K" at 4849.57,1912.5 h15 r270
D2.3.49: Bottom Overlay "K" at 4099.57,1912.5 h15 r270
D2.3.50: Bottom Overlay "K" at 3349.57,1912.5 h15 r270
D2.3.51: Bottom Overlay "K" at 2599.57,1912.5 h15 r270
D2.3.52: Bottom Overlay "K" at 1849.57,1912.5 h15 r270
D2.3.53: Bottom Overlay "K" at 912.07,1912.5 h15 r270
D2.3.54: Bottom Overlay "K" at 10849.57,2662.5 h15 r270
D2.3.55: Bottom Overlay "K" at 9912.07,2662.5 h15 r270
D2.3.56: Bottom Overlay "K" at 9162.07,2662.5 h15 r270
D2.3.57: Bottom Overlay "K" at 8412.07,2662.5 h15 r270
D2.3.58: Bottom Overlay "K" at 7662.07,2662.5 h15 r270
D2.3.59: Bottom Overlay "K" at 6912.07,2662.5 h15 r270
D2.3.60: Bottom Overlay "K" at 6162.07,2662.5 h15 r270
D2.3.61: Bottom Overlay "K" at 5412.07,2662.5 h15 r270
D2.3.62: Bottom Overlay "K" at 4662.07,2662.5 h15 r270
D2.3.63: Bottom Overlay "K" at 3912.07,2662.5 h15 r270
D2.3.64: Bottom Overlay "K" at 3162.07,2662.5 h15 r270
D2.3.65: Bottom Overlay "K" at 2412.07,2662.5 h15 r270
D2.3.66: Bottom Overlay "K" at 1662.07,2662.5 h15 r270
D2.3.67: Bottom Overlay "K" at 724.57,2662.5 h15 r270
D2.3.68: Bottom Overlay "K" at 14037.07,3412.5 h15 r270
D2.3.69: Bottom Overlay "K" at 13287.07,3412.5 h15 r270
D2.3.70: Bottom Overlay "K" at 12528.86,3408.68 h15 r270
D2.3.71: Bottom Overlay "K" at 11787.07,3412.5 h15 r270
D2.3.72: Bottom Overlay "K" at 10662.07,3412.5 h15 r270
D2.3.73: Bottom Overlay "K" at 9537.07,3412.5 h15 r270
D2.3.74: Bottom Overlay "K" at 8787.07,3412.5 h15 r270
D2.3.75: Bottom Overlay "K" at 8037.07,3412.5 h15 r270
D2.3.76: Bottom Overlay "K" at 7287.07,3412.5 h15 r270
D2.3.77: Bottom Overlay "K" at 6537.07,3412.5 h15 r270
D2.3.78: Bottom Overlay "K" at 5787.07,3412.5 h15 r270
D2.3.79: Bottom Overlay "K" at 5037.07,3412.5 h15 r270
D2.3.80: Bottom Overlay "K" at 4287.07,3412.5 h15 r270
D2.3.81: Bottom Overlay "K" at 3537.07,3412.5 h15 r270
D2.3.82: Bottom Overlay "K" at 2787.07,3412.5 h15 r270
D2.3.83: Bottom Overlay "K" at 2037.07,3412.5 h15 r270
D2.3.84: Bottom Overlay "K" at 1287.07,3412.5 h15 r270
D2.3.85: Bottom Overlay "K" at 537.07,3412.5 h15 r270
Q1.2: Mechanical 13 "U1.1" at 6047.25,3745.58 h15